# Altium PCB FMC_HPC_TO_LPC_BREAKOUT.PcbDoc (part 2 of 3) (continued)
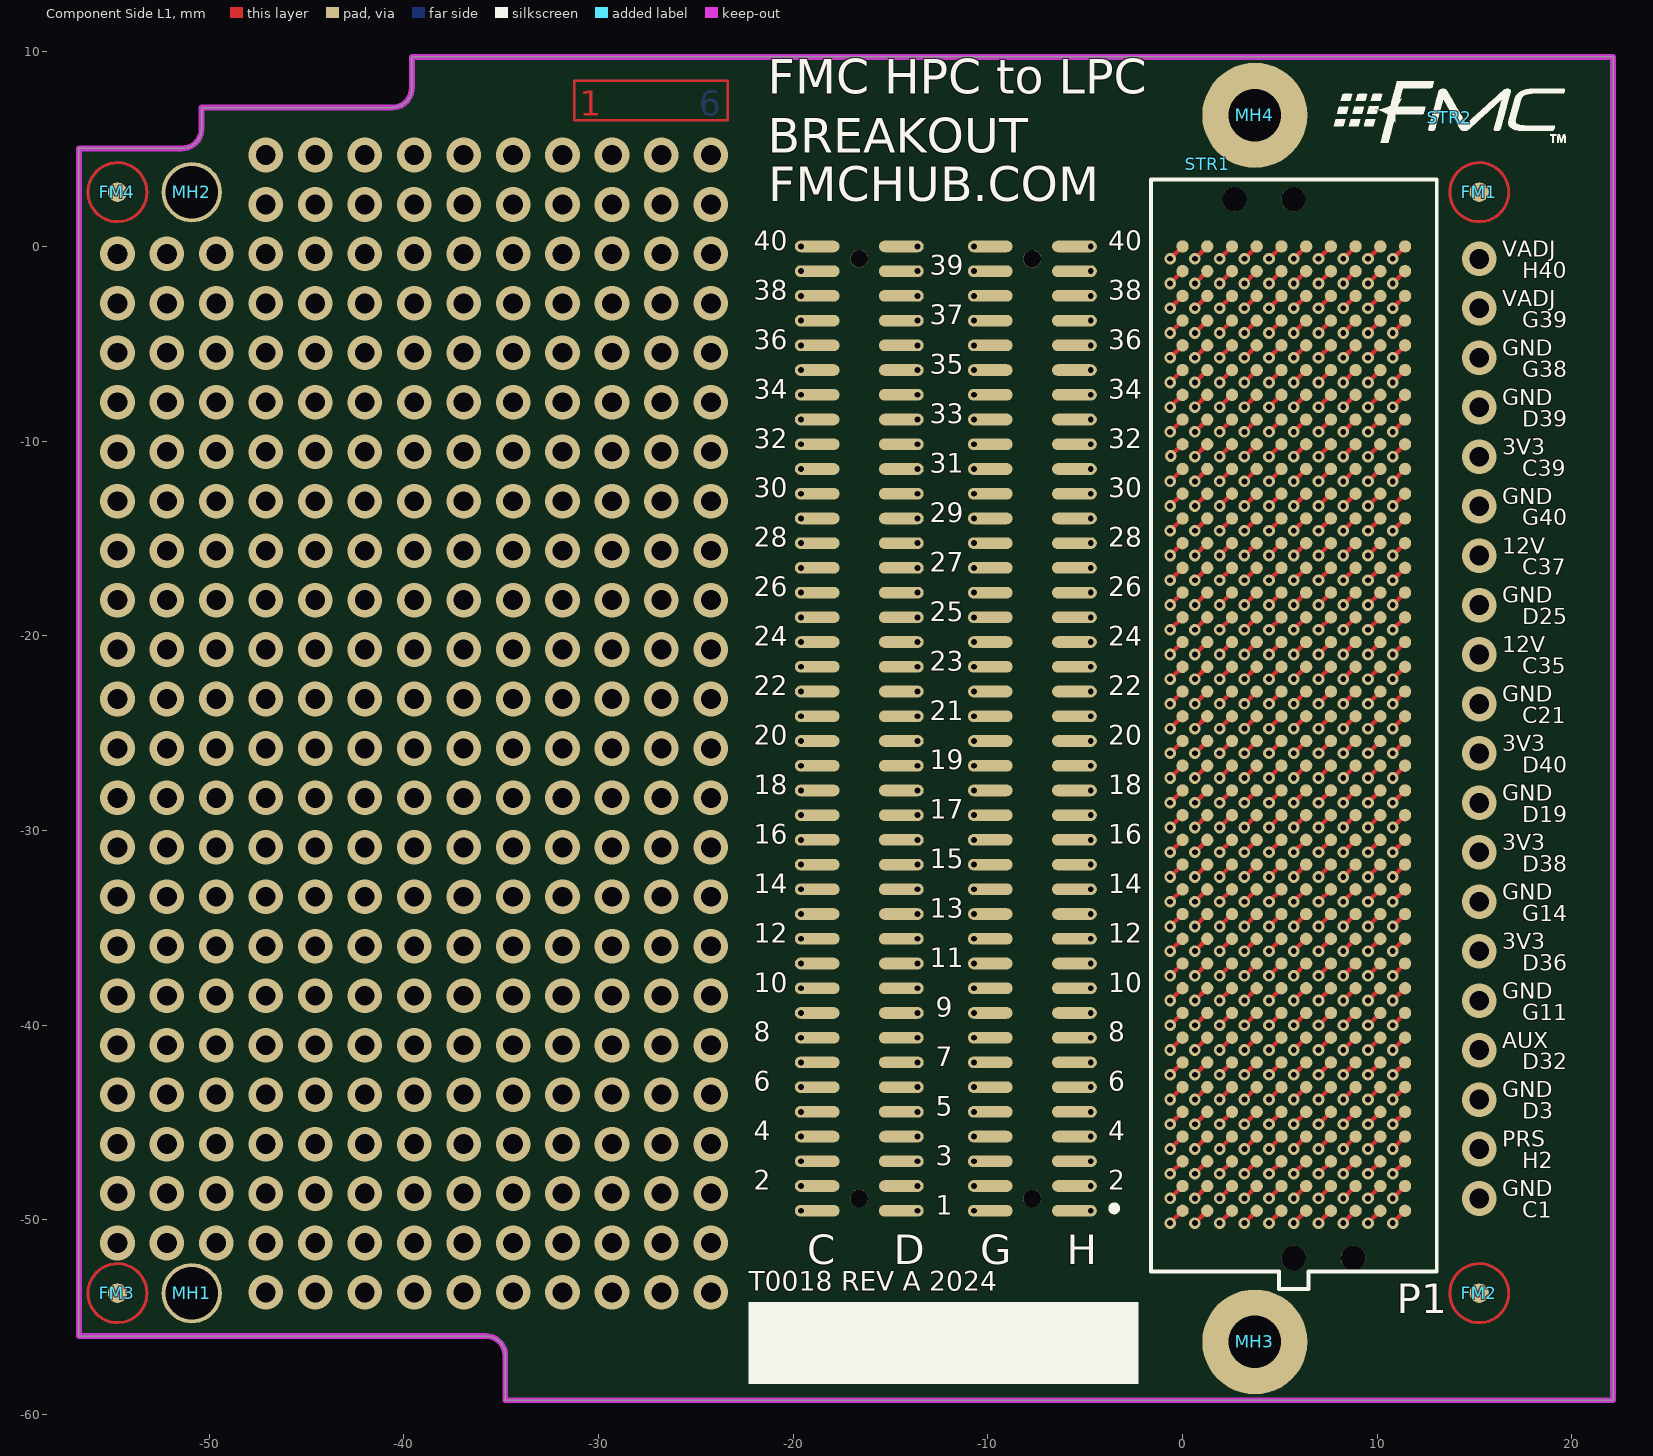
[diagram p0: Component Side L1 view]
## Nets (pads, with @x,y where several pads share a name; then routed paths per layer and width w, separated by ;. In a path a pad name is that pad's centre, name@x,y a point inside that pad or via, vN(x,y) a via of type N, cw(c..) or ccw(c..) an arc to the next point about the centre after c; other vN are vias at no path point) (continued)
  Bottom Layer L6 w0.215: v1(5.715,-18.415) P2.E26@6.35,-17.78
E27: P1.E27 P2.E27 | length 1.8
  Component Side L1 w0.215: v1(5.715,-17.145) P1.E27@6.35,-16.51
  Bottom Layer L6 w0.215: v1(5.715,-17.145) P2.E27@6.35,-16.51
E28: P1.E28 P2.E28 | length 1.8
  Component Side L1 w0.215: v1(5.715,-15.875) P1.E28@6.35,-15.24
  Bottom Layer L6 w0.215: v1(5.715,-15.875) P2.E28@6.35,-15.24
E29: P1.E29 P2.E29 | length 1.8
  Component Side L1 w0.215: v1(5.715,-14.605) P1.E29@6.35,-13.97
  Bottom Layer L6 w0.215: v1(5.715,-14.605) P2.E29@6.35,-13.97
E30: P1.E30 P2.E30 | length 1.8
  Component Side L1 w0.215: v1(5.715,-13.335) P1.E30@6.35,-12.7
  Bottom Layer L6 w0.215: v1(5.715,-13.335) P2.E30@6.35,-12.7
E31: P1.E31 P2.E31 | length 1.8
  Component Side L1 w0.215: v1(5.715,-12.065) P1.E31@6.35,-11.43
  Bottom Layer L6 w0.215: v1(5.715,-12.065) P2.E31@6.35,-11.43
E32: P1.E32 P2.E32 | length 1.8
  Component Side L1 w0.215: v1(5.715,-10.795) P1.E32@6.35,-10.16
  Bottom Layer L6 w0.215: v1(5.715,-10.795) P2.E32@6.35,-10.16
E33: P1.E33 P2.E33 | length 1.8
  Component Side L1 w0.215: v1(5.715,-9.525) P1.E33@6.35,-8.89
  Bottom Layer L6 w0.215: v1(5.715,-9.525) P2.E33@6.35,-8.89
E34: P1.E34 P2.E34 | length 1.8
  Component Side L1 w0.215: v1(5.715,-8.255) P1.E34@6.35,-7.62
  Bottom Layer L6 w0.215: v1(5.715,-8.255) P2.E34@6.35,-7.62
E35: P1.E35 P2.E35 | length 1.8
  Component Side L1 w0.215: v1(5.715,-6.985) P1.E35@6.35,-6.35
  Bottom Layer L6 w0.215: v1(5.715,-6.985) P2.E35@6.35,-6.35
E36: P1.E36 P2.E36 | length 1.8
  Component Side L1 w0.215: v1(5.715,-5.715) P1.E36@6.35,-5.08
  Bottom Layer L6 w0.215: v1(5.715,-5.715) P2.E36@6.35,-5.08
E37: P1.E37 P2.E37 | length 1.8
  Component Side L1 w0.215: v1(5.715,-4.445) P1.E37@6.35,-3.81
  Bottom Layer L6 w0.215: v1(5.715,-4.445) P2.E37@6.35,-3.81
E38: P1.E38 P2.E38 | length 1.8
  Component Side L1 w0.215: v1(5.715,-3.175) P1.E38@6.35,-2.54
  Bottom Layer L6 w0.215: v1(5.715,-3.175) P2.E38@6.35,-2.54
E39: P1.E39 P2.E39 | length 1.8
  Component Side L1 w0.215: v1(5.715,-1.905) P1.E39@6.35,-1.27
  Bottom Layer L6 w0.215: v1(5.715,-1.905) P2.E39@6.35,-1.27
E40: P1.E40 P2.E40 | length 1.8
  Component Side L1 w0.215: v1(5.715,-0.635) P1.E40@6.35,0
  Bottom Layer L6 w0.215: v1(5.715,-0.635) P2.E40@6.35,0
F1: P1.F1 P2.F1 | length 1.8
  Component Side L1 w0.215: v1(4.445,-50.165) P1.F1@5.08,-49.53
  Bottom Layer L6 w0.215: v1(4.445,-50.165) P2.F1@5.08,-49.53
F2: P1.F2 P2.F2 | length 1.8
  Component Side L1 w0.215: v1(4.445,-48.895) P1.F2@5.08,-48.26
  Bottom Layer L6 w0.215: v1(4.445,-48.895) P2.F2@5.08,-48.26
F3: P1.F3 P2.F3 | length 1.8
  Component Side L1 w0.215: v1(4.445,-47.625) P1.F3@5.08,-46.99
  Bottom Layer L6 w0.215: v1(4.445,-47.625) P2.F3@5.08,-46.99
F4: P1.F4 P2.F4 | length 1.8
  Component Side L1 w0.215: v1(4.445,-46.355) P1.F4@5.08,-45.72
  Bottom Layer L6 w0.215: v1(4.445,-46.355) P2.F4@5.08,-45.72
F5: P1.F5 P2.F5 | length 1.8
  Component Side L1 w0.215: v1(4.445,-45.085) P1.F5@5.08,-44.45
  Bottom Layer L6 w0.215: v1(4.445,-45.085) P2.F5@5.08,-44.45
F6: P1.F6 P2.F6 | length 1.8
  Component Side L1 w0.215: v1(4.445,-43.815) P1.F6@5.08,-43.18
  Bottom Layer L6 w0.215: v1(4.445,-43.815) P2.F6@5.08,-43.18
F7: P1.F7 P2.F7 | length 1.8
  Component Side L1 w0.215: v1(4.445,-42.545) P1.F7@5.08,-41.91
  Bottom Layer L6 w0.215: v1(4.445,-42.545) P2.F7@5.08,-41.91
F8: P1.F8 P2.F8 | length 1.8
  Component Side L1 w0.215: v1(4.445,-41.275) P1.F8@5.08,-40.64
  Bottom Layer L6 w0.215: v1(4.445,-41.275) P2.F8@5.08,-40.64
F9: P1.F9 P2.F9 | length 1.8
  Component Side L1 w0.215: v1(4.445,-40.005) P1.F9@5.08,-39.37
  Bottom Layer L6 w0.215: v1(4.445,-40.005) P2.F9@5.08,-39.37
F10: P1.F10 P2.F10 | length 1.8
  Component Side L1 w0.215: v1(4.445,-38.735) P1.F10@5.08,-38.1
  Bottom Layer L6 w0.215: v1(4.445,-38.735) P2.F10@5.08,-38.1
F11: P1.F11 P2.F11 | length 1.8
  Component Side L1 w0.215: v1(4.445,-37.465) P1.F11@5.08,-36.83
  Bottom Layer L6 w0.215: v1(4.445,-37.465) P2.F11@5.08,-36.83
F12: P1.F12 P2.F12 | length 1.8
  Component Side L1 w0.215: v1(4.445,-36.195) P1.F12@5.08,-35.56
  Bottom Layer L6 w0.215: v1(4.445,-36.195) P2.F12@5.08,-35.56
F13: P1.F13 P2.F13 | length 1.8
  Component Side L1 w0.215: v1(4.445,-34.925) P1.F13@5.08,-34.29
  Bottom Layer L6 w0.215: v1(4.445,-34.925) P2.F13@5.08,-34.29
F14: P1.F14 P2.F14 | length 1.8
  Component Side L1 w0.215: v1(4.445,-33.655) P1.F14@5.08,-33.02
  Bottom Layer L6 w0.215: v1(4.445,-33.655) P2.F14@5.08,-33.02
F15: P1.F15 P2.F15 | length 1.8
  Component Side L1 w0.215: v1(4.445,-32.385) P1.F15@5.08,-31.75
  Bottom Layer L6 w0.215: v1(4.445,-32.385) P2.F15@5.08,-31.75
F16: P1.F16 P2.F16 | length 1.8
  Component Side L1 w0.215: v1(4.445,-31.115) P1.F16@5.08,-30.48
  Bottom Layer L6 w0.215: v1(4.445,-31.115) P2.F16@5.08,-30.48
F17: P1.F17 P2.F17 | length 1.8
  Component Side L1 w0.215: v1(4.445,-29.845) P1.F17@5.08,-29.21
  Bottom Layer L6 w0.215: v1(4.445,-29.845) P2.F17@5.08,-29.21
F18: P1.F18 P2.F18 | length 1.8
  Component Side L1 w0.215: v1(4.445,-28.575) P1.F18@5.08,-27.94
  Bottom Layer L6 w0.215: v1(4.445,-28.575) P2.F18@5.08,-27.94
F19: P1.F19 P2.F19 | length 1.8
  Component Side L1 w0.215: v1(4.445,-27.305) P1.F19@5.08,-26.67
  Bottom Layer L6 w0.215: v1(4.445,-27.305) P2.F19@5.08,-26.67
F20: P1.F20 P2.F20 | length 1.8
  Component Side L1 w0.215: v1(4.445,-26.035) P1.F20@5.08,-25.4
  Bottom Layer L6 w0.215: v1(4.445,-26.035) P2.F20@5.08,-25.4
F21: P1.F21 P2.F21 | length 1.8
  Component Side L1 w0.215: v1(4.445,-24.765) P1.F21@5.08,-24.13
  Bottom Layer L6 w0.215: v1(4.445,-24.765) P2.F21@5.08,-24.13
F22: P1.F22 P2.F22 | length 1.8
  Component Side L1 w0.215: v1(4.445,-23.495) P1.F22@5.08,-22.86
  Bottom Layer L6 w0.215: v1(4.445,-23.495) P2.F22@5.08,-22.86
F23: P1.F23 P2.F23 | length 1.8
  Component Side L1 w0.215: v1(4.445,-22.225) P1.F23@5.08,-21.59
  Bottom Layer L6 w0.215: v1(4.445,-22.225) P2.F23@5.08,-21.59
F24: P1.F24 P2.F24 | length 1.8
  Component Side L1 w0.215: v1(4.445,-20.955) P1.F24@5.08,-20.32
  Bottom Layer L6 w0.215: v1(4.445,-20.955) P2.F24@5.08,-20.32
F25: P1.F25 P2.F25 | length 1.8
  Component Side L1 w0.215: v1(4.445,-19.685) P1.F25@5.08,-19.05
  Bottom Layer L6 w0.215: v1(4.445,-19.685) P2.F25@5.08,-19.05
F26: P1.F26 P2.F26 | length 1.8
  Component Side L1 w0.215: v1(4.445,-18.415) P1.F26@5.08,-17.78
  Bottom Layer L6 w0.215: v1(4.445,-18.415) P2.F26@5.08,-17.78
F27: P1.F27 P2.F27 | length 1.8
  Component Side L1 w0.215: v1(4.445,-17.145) P1.F27@5.08,-16.51
  Bottom Layer L6 w0.215: v1(4.445,-17.145) P2.F27@5.08,-16.51
F28: P1.F28 P2.F28 | length 1.8
  Component Side L1 w0.215: v1(4.445,-15.875) P1.F28@5.08,-15.24
  Bottom Layer L6 w0.215: v1(4.445,-15.875) P2.F28@5.08,-15.24
F29: P1.F29 P2.F29 | length 1.8
  Component Side L1 w0.215: v1(4.445,-14.605) P1.F29@5.08,-13.97
  Bottom Layer L6 w0.215: v1(4.445,-14.605) P2.F29@5.08,-13.97
F30: P1.F30 P2.F30 | length 1.8
  Component Side L1 w0.215: v1(4.445,-13.335) P1.F30@5.08,-12.7
  Bottom Layer L6 w0.215: v1(4.445,-13.335) P2.F30@5.08,-12.7
F31: P1.F31 P2.F31 | length 1.8
  Component Side L1 w0.215: v1(4.445,-12.065) P1.F31@5.08,-11.43
  Bottom Layer L6 w0.215: v1(4.445,-12.065) P2.F31@5.08,-11.43
F32: P1.F32 P2.F32 | length 1.8
  Component Side L1 w0.215: v1(4.445,-10.795) P1.F32@5.08,-10.16
  Bottom Layer L6 w0.215: v1(4.445,-10.795) P2.F32@5.08,-10.16
F33: P1.F33 P2.F33 | length 1.8
  Component Side L1 w0.215: v1(4.445,-9.525) P1.F33@5.08,-8.89
  Bottom Layer L6 w0.215: v1(4.445,-9.525) P2.F33@5.08,-8.89
F34: P1.F34 P2.F34 | length 1.8
  Component Side L1 w0.215: v1(4.445,-8.255) P1.F34@5.08,-7.62
  Bottom Layer L6 w0.215: v1(4.445,-8.255) P2.F34@5.08,-7.62
F35: P1.F35 P2.F35 | length 1.8
  Component Side L1 w0.215: v1(4.445,-6.985) P1.F35@5.08,-6.35
  Bottom Layer L6 w0.215: v1(4.445,-6.985) P2.F35@5.08,-6.35
F36: P1.F36 P2.F36 | length 1.8
  Component Side L1 w0.215: v1(4.445,-5.715) P1.F36@5.08,-5.08
  Bottom Layer L6 w0.215: v1(4.445,-5.715) P2.F36@5.08,-5.08
F37: P1.F37 P2.F37 | length 1.8
  Component Side L1 w0.215: v1(4.445,-4.445) P1.F37@5.08,-3.81
  Bottom Layer L6 w0.215: v1(4.445,-4.445) P2.F37@5.08,-3.81
F38: P1.F38 P2.F38 | length 1.8
  Component Side L1 w0.215: v1(4.445,-3.175) P1.F38@5.08,-2.54
  Bottom Layer L6 w0.215: v1(4.445,-3.175) P2.F38@5.08,-2.54
F39: P1.F39 P2.F39 | length 1.8
  Component Side L1 w0.215: v1(4.445,-1.905) P1.F39@5.08,-1.27
  Bottom Layer L6 w0.215: v1(4.445,-1.905) P2.F39@5.08,-1.27
F40: P1.F40 P2.F40 | length 1.8
  Component Side L1 w0.215: v1(4.445,-0.635) P1.F40@5.08,0
  Bottom Layer L6 w0.215: v1(4.445,-0.635) P2.F40@5.08,0
G1: P1.G1 P2.G1 P4.1 | length 16.5
  Component Side L1 w0.215: v1(3.175,-50.165) P1.G1@3.81,-49.53
  Layer 3 w0.127: P4.1@-10.715,-49.53 -8.134,-49.53 -8.121,-49.543 -7.11,-49.543 -6.462,-48.895 -2.54,-48.895 -1.905,-49.53 2.54,-49.53 v1(3.175,-50.165)
  Bottom Layer L6 w0.215: v1(3.175,-50.165) P2.G1@3.81,-49.53
G2: P1.G2 P2.G2 P4.3 | length 16.5
  Component Side L1 w0.215: v1(3.175,-48.895) P1.G2@3.81,-48.26
  Layer 3 w0.127: P4.3@-10.715,-48.26 -7.996,-48.26 -7.361,-47.625 -2.54,-47.625 -1.905,-48.26 2.54,-48.26 v1(3.175,-48.895)
  Bottom Layer L6 w0.215: v1(3.175,-48.895) P2.G2@3.81,-48.26
G3: P1.G3 P2.G3 P4.5 | length 16.5
  Component Side L1 w0.215: v1(3.175,-47.625) P1.G3@3.81,-46.99
  Layer 3 w0.127: P4.5@-10.715,-46.99 -7.996,-46.99 -7.361,-46.355 -2.513,-46.355 -1.878,-46.99 2.54,-46.99 v1(3.175,-47.625)
  Bottom Layer L6 w0.215: v1(3.175,-47.625) P2.G3@3.81,-46.99
G4: P1.G4 P2.G4 P4.7 | length 16.5
  Component Side L1 w0.215: v1(3.175,-46.355) P1.G4@3.81,-45.72
  Layer 3 w0.127: P4.7@-10.715,-45.72 -7.996,-45.72 -7.361,-45.085 -2.513,-45.085 -1.878,-45.72 2.54,-45.72 v1(3.175,-46.355)
  Bottom Layer L6 w0.215: v1(3.175,-46.355) P2.G4@3.81,-45.72
G5: P1.G5 P2.G5 P4.9 | length 16.5
  Component Side L1 w0.215: v1(3.175,-45.085) P1.G5@3.81,-44.45
  Layer 3 w0.127: P4.9@-10.715,-44.45 -7.996,-44.45 -7.366,-43.82 -2.508,-43.82 -1.878,-44.45 2.54,-44.45 v1(3.175,-45.085)
  Bottom Layer L6 w0.215: v1(3.175,-45.085) P2.G5@3.81,-44.45
G6: P1.G6 P2.G6 P4.11 | length 16.5
  Component Side L1 w0.215: v1(3.175,-43.815) P1.G6@3.81,-43.18
  Layer 3 w0.127: P4.11@-10.715,-43.18 -7.996,-43.18 -7.361,-42.545 -2.54,-42.545 -1.878,-43.207 2.567,-43.207 v1(3.175,-43.815)
  Bottom Layer L6 w0.215: v1(3.175,-43.815) P2.G6@3.81,-43.18
G7: P1.G7 P2.G7 P4.13 | length 16.5
  Component Side L1 w0.215: v1(3.175,-42.545) P1.G7@3.81,-41.91
  Layer 3 w0.127: P4.13@-10.715,-41.91 -7.996,-41.91 -7.361,-41.275 -2.513,-41.275 -1.851,-41.937 2.567,-41.937 v1(3.175,-42.545)
  Bottom Layer L6 w0.215: v1(3.175,-42.545) P2.G7@3.81,-41.91
G8: P1.G8 P2.G8 P4.15 | length 16.5
  Component Side L1 w0.215: v1(3.175,-41.275) P1.G8@3.81,-40.64
  Layer 3 w0.127: P4.15@-10.715,-40.64 -7.996,-40.64 -7.361,-40.005 -2.513,-40.005 -1.851,-40.667 2.567,-40.667 v1(3.175,-41.275)
  Bottom Layer L6 w0.215: v1(3.175,-41.275) P2.G8@3.81,-40.64
G9: P1.G9 P2.G9 P4.17 | length 16.5
  Component Side L1 w0.215: v1(3.175,-40.005) P1.G9@3.81,-39.37
  Layer 3 w0.127: P4.17@-10.715,-39.37 -7.996,-39.37 -7.361,-38.735 -2.513,-38.735 -1.851,-39.397 2.567,-39.397 v1(3.175,-40.005)
  Bottom Layer L6 w0.215: v1(3.175,-40.005) P2.G9@3.81,-39.37
G10: P1.G10 P2.G10 P4.19 | length 16.5
  Component Side L1 w0.215: v1(3.175,-38.735) P1.G10@3.81,-38.1
  Layer 3 w0.127: P4.19@-10.715,-38.1 -7.996,-38.1 -7.361,-37.465 -2.54,-37.465 -1.878,-38.127 2.567,-38.127 v1(3.175,-38.735)
  Bottom Layer L6 w0.215: v1(3.175,-38.735) P2.G10@3.81,-38.1
G11: P1.G11 P2.G11 P4.21 | length 29.1
  Component Side L1 w0.215: v1(3.175,-37.465) P1.G11@3.81,-36.83
  Layer 3 w0.127: P4.21@-10.715,-36.83 -7.996,-36.83 -7.361,-36.195 -2.513,-36.195 -1.878,-36.83 2.54,-36.83 v1(3.175,-37.465)
  Layer 3 w0.35: v1(3.175,-37.465) 3.81,-38.1 12.7,-38.1 13.34,-38.74 v2(15.24,-38.74)
  Bottom Layer L6 w0.215: v1(3.175,-37.465) P2.G11@3.81,-36.83
G12: P1.G12 P2.G12 P4.23 | length 16.5
  Component Side L1 w0.215: v1(3.175,-36.195) P1.G12@3.81,-35.56
  Layer 3 w0.127: P4.23@-10.715,-35.56 -7.996,-35.56 -7.361,-34.925 -2.486,-34.925 -1.824,-35.587 2.567,-35.587 v1(3.175,-36.195)
  Bottom Layer L6 w0.215: v1(3.175,-36.195) P2.G12@3.81,-35.56
G13: P1.G13 P2.G13 P4.25 | length 16.5
  Component Side L1 w0.215: v1(3.175,-34.925) P1.G13@3.81,-34.29
  Layer 3 w0.127: P4.25@-10.715,-34.29 -7.996,-34.29 -7.361,-33.655 -2.513,-33.655 -1.878,-34.29 2.54,-34.29 v1(3.175,-34.925)
  Bottom Layer L6 w0.215: v1(3.175,-34.925) P2.G13@3.81,-34.29
G14: P1.G14 P2.G14 P4.27 | length 29.1
  Component Side L1 w0.215: v1(3.175,-33.655) P1.G14@3.81,-33.02
  Layer 3 w0.127: P4.27@-10.715,-33.02 -7.996,-33.02 -7.361,-32.385 -2.513,-32.385 -1.878,-33.02 2.54,-33.02 v1(3.175,-33.655)
  Layer 3 w0.35: v1(3.175,-33.655) 3.81,-33.02 12.673,-33.02 13.308,-33.655 15.235,-33.655 v2(15.24,-33.66)
  Bottom Layer L6 w0.215: v1(3.175,-33.655) P2.G14@3.81,-33.02
G15: P1.G15 P2.G15 P4.29 | length 16.5
  Component Side L1 w0.215: v1(3.175,-32.385) P1.G15@3.81,-31.75
  Layer 3 w0.127: P4.29@-10.715,-31.75 -7.996,-31.75 -7.361,-31.115 -2.513,-31.115 -1.878,-31.75 2.54,-31.75 v1(3.175,-32.385)
  Bottom Layer L6 w0.215: v1(3.175,-32.385) P2.G15@3.81,-31.75
G16: P1.G16 P2.G16 P4.31 | length 16.5
  Component Side L1 w0.215: v1(3.175,-31.115) P1.G16@3.81,-30.48
  Layer 3 w0.127: P4.31@-10.715,-30.48 -7.996,-30.48 -7.361,-29.845 -2.513,-29.845 -1.878,-30.48 2.54,-30.48 v1(3.175,-31.115)
  Bottom Layer L6 w0.215: v1(3.175,-31.115) P2.G16@3.81,-30.48
G17: P1.G17 P2.G17 P4.33 | length 16.5
  Component Side L1 w0.215: v1(3.175,-29.845) P1.G17@3.81,-29.21
  Layer 3 w0.127: P4.33@-10.715,-29.21 -7.996,-29.21 -7.366,-28.58 -2.508,-28.58 -1.878,-29.21 2.54,-29.21 v1(3.175,-29.845)
  Bottom Layer L6 w0.215: v1(3.175,-29.845) P2.G17@3.81,-29.21
G18: P1.G18 P2.G18 P4.35 | length 16.5
  Component Side L1 w0.215: v1(3.175,-28.575) P1.G18@3.81,-27.94
  Layer 3 w0.127: P4.35@-10.715,-27.94 -7.996,-27.94 -7.361,-27.305 -2.513,-27.305 -1.878,-27.94 2.54,-27.94 v1(3.175,-28.575)
  Bottom Layer L6 w0.215: v1(3.175,-28.575) P2.G18@3.81,-27.94
G19: P1.G19 P2.G19 P4.37 | length 16.5
  Component Side L1 w0.215: v1(3.175,-27.305) P1.G19@3.81,-26.67
  Layer 3 w0.127: P4.37@-10.715,-26.67 -7.996,-26.67 -7.366,-26.04 -2.481,-26.04 -1.851,-26.67 2.54,-26.67 v1(3.175,-27.305)
  Bottom Layer L6 w0.215: v1(3.175,-27.305) P2.G19@3.81,-26.67
G20: P1.G20 P2.G20 P4.39 | length 16.5
  Component Side L1 w0.215: v1(3.175,-26.035) P1.G20@3.81,-25.4
  Layer 3 w0.127: P4.39@-10.715,-25.4 -7.996,-25.4 -7.361,-24.765 -2.54,-24.765 -1.905,-25.4 2.54,-25.4 v1(3.175,-26.035)
  Bottom Layer L6 w0.215: v1(3.175,-26.035) P2.G20@3.81,-25.4
G21: P1.G21 P2.G21 P4.41 | length 16.5
  Component Side L1 w0.215: v1(3.175,-24.765) P1.G21@3.81,-24.13
  Layer 3 w0.127: P4.41@-10.715,-24.13 -7.996,-24.13 -7.361,-23.495 -2.54,-23.495 -1.905,-24.13 2.54,-24.13 v1(3.175,-24.765)
  Bottom Layer L6 w0.215: v1(3.175,-24.765) P2.G21@3.81,-24.13
G22: P1.G22 P2.G22 P4.43 | length 16.5
  Component Side L1 w0.215: v1(3.175,-23.495) P1.G22@3.81,-22.86
  Layer 3 w0.127: P4.43@-10.715,-22.86 -7.996,-22.86 -7.361,-22.225 -2.54,-22.225 -1.905,-22.86 2.54,-22.86 v1(3.175,-23.495)
  Bottom Layer L6 w0.215: v1(3.175,-23.495) P2.G22@3.81,-22.86
G23: P1.G23 P2.G23 P4.45 | length 16.5
  Component Side L1 w0.215: v1(3.175,-22.225) P1.G23@3.81,-21.59
  Layer 3 w0.127: P4.45@-10.715,-21.59 -7.996,-21.59 -7.366,-20.96 -2.535,-20.96 -1.905,-21.59 2.54,-21.59 v1(3.175,-22.225)
  Bottom Layer L6 w0.215: v1(3.175,-22.225) P2.G23@3.81,-21.59
G24: P1.G24 P2.G24 P4.47 | length 16.5
  Component Side L1 w0.215: v1(3.175,-20.955) P1.G24@3.81,-20.32
  Layer 3 w0.127: P4.47@-10.715,-20.32 -7.996,-20.32 -7.361,-19.685 -2.54,-19.685 -1.905,-20.32 2.54,-20.32 v1(3.175,-20.955)
  Bottom Layer L6 w0.215: v1(3.175,-20.955) P2.G24@3.81,-20.32
G25: P1.G25 P2.G25 P4.49 | length 16.5
  Component Side L1 w0.215: v1(3.175,-19.685) P1.G25@3.81,-19.05
  Layer 3 w0.127: P4.49@-10.715,-19.05 -7.996,-19.05 -7.366,-18.42 -2.535,-18.42 -1.905,-19.05 2.54,-19.05 v1(3.175,-19.685)
  Bottom Layer L6 w0.215: v1(3.175,-19.685) P2.G25@3.81,-19.05
G26: P1.G26 P2.G26 P4.51 | length 16.5
  Component Side L1 w0.215: v1(3.175,-18.415) P1.G26@3.81,-17.78
  Layer 3 w0.127: P4.51@-10.715,-17.78 -7.996,-17.78 -7.361,-17.145 -2.54,-17.145 -1.905,-17.78 2.54,-17.78 v1(3.175,-18.415)
  Bottom Layer L6 w0.215: v1(3.175,-18.415) P2.G26@3.81,-17.78
G27: P1.G27 P2.G27 P4.53 | length 16.5
  Component Side L1 w0.215: v1(3.175,-17.145) P1.G27@3.81,-16.51
  Layer 3 w0.127: P4.53@-10.715,-16.51 -7.996,-16.51 -7.361,-15.875 -2.54,-15.875 -1.905,-16.51 2.54,-16.51 v1(3.175,-17.145)
  Bottom Layer L6 w0.215: v1(3.175,-17.145) P2.G27@3.81,-16.51
G28: P1.G28 P2.G28 P4.55 | length 16.5
  Component Side L1 w0.215: v1(3.175,-15.875) P1.G28@3.81,-15.24
  Layer 3 w0.127: P4.55@-10.715,-15.24 -7.996,-15.24 -7.361,-14.605 -2.54,-14.605 -1.905,-15.24 2.54,-15.24 v1(3.175,-15.875)
  Bottom Layer L6 w0.215: v1(3.175,-15.875) P2.G28@3.81,-15.24
G29: P1.G29 P2.G29 P4.57 | length 16.5
  Component Side L1 w0.215: v1(3.175,-14.605) P1.G29@3.81,-13.97
  Layer 3 w0.127: P4.57@-10.715,-13.97 -7.996,-13.97 -7.366,-13.34 -2.535,-13.34 -1.905,-13.97 2.54,-13.97 v1(3.175,-14.605)
  Bottom Layer L6 w0.215: v1(3.175,-14.605) P2.G29@3.81,-13.97
G30: P1.G30 P2.G30 P4.59 | length 16.5
  Component Side L1 w0.215: v1(3.175,-13.335) P1.G30@3.81,-12.7
  Layer 3 w0.127: P4.59@-10.715,-12.7 -7.996,-12.7 -7.361,-12.065 -2.54,-12.065 -1.905,-12.7 2.54,-12.7 v1(3.175,-13.335)
  Bottom Layer L6 w0.215: v1(3.175,-13.335) P2.G30@3.81,-12.7
G31: P1.G31 P2.G31 P4.61 | length 16.5
  Component Side L1 w0.215: v1(3.175,-12.065) P1.G31@3.81,-11.43
  Layer 3 w0.127: P4.61@-10.715,-11.43 -7.996,-11.43 -7.366,-10.8 -2.535,-10.8 -1.905,-11.43 2.54,-11.43 v1(3.175,-12.065)
  Bottom Layer L6 w0.215: v1(3.175,-12.065) P2.G31@3.81,-11.43
G32: P1.G32 P2.G32 P4.63 | length 16.5
  Component Side L1 w0.215: v1(3.175,-10.795) P1.G32@3.81,-10.16
  Layer 3 w0.127: P4.63@-10.715,-10.16 -7.996,-10.16 -7.361,-9.525 -2.54,-9.525 -1.905,-10.16 2.54,-10.16 v1(3.175,-10.795)
  Bottom Layer L6 w0.215: v1(3.175,-10.795) P2.G32@3.81,-10.16
G33: P1.G33 P2.G33 P4.65 | length 16.5
  Component Side L1 w0.215: v1(3.175,-9.525) P1.G33@3.81,-8.89
  Layer 3 w0.127: P4.65@-10.715,-8.89 -7.996,-8.89 -7.366,-8.26 -2.535,-8.26 -1.905,-8.89 2.54,-8.89 v1(3.175,-9.525)
  Bottom Layer L6 w0.215: v1(3.175,-9.525) P2.G33@3.81,-8.89
G34: P1.G34 P2.G34 P4.67 | length 16.5
  Component Side L1 w0.215: v1(3.175,-8.255) P1.G34@3.81,-7.62
  Layer 3 w0.127: P4.67@-10.715,-7.62 -7.996,-7.62 -7.361,-6.985 -2.513,-6.985 -1.878,-7.62 2.54,-7.62 v1(3.175,-8.255)
  Bottom Layer L6 w0.215: v1(3.175,-8.255) P2.G34@3.81,-7.62
G35: P1.G35 P2.G35 P4.69 | length 16.5
  Component Side L1 w0.215: v1(3.175,-6.985) P1.G35@3.81,-6.35
  Layer 3 w0.127: P4.69@-10.715,-6.35 -7.996,-6.35 -7.366,-5.72 -2.535,-5.72 -1.905,-6.35 2.54,-6.35 v1(3.175,-6.985)
  Bottom Layer L6 w0.215: v1(3.175,-6.985) P2.G35@3.81,-6.35
G36: P1.G36 P2.G36 P4.71 | length 16.5
  Component Side L1 w0.215: v1(3.175,-5.715) P1.G36@3.81,-5.08
  Layer 3 w0.127: P4.71@-10.715,-5.08 -7.996,-5.08 -7.361,-4.445 -2.54,-4.445 -1.905,-5.08 2.54,-5.08 v1(3.175,-5.715)
  Bottom Layer L6 w0.215: v1(3.175,-5.715) P2.G36@3.81,-5.08
G37: P1.G37 P2.G37 P4.73 | length 16.5
  Component Side L1 w0.215: v1(3.175,-4.445) P1.G37@3.81,-3.81
  Layer 3 w0.127: P4.73@-10.715,-3.81 -7.996,-3.81 -7.366,-3.18 -2.535,-3.18 -1.878,-3.837 2.567,-3.837 v1(3.175,-4.445)
  Bottom Layer L6 w0.215: v1(3.175,-4.445) P2.G37@3.81,-3.81
G38: P1.G38 P2.G38 P4.75 | length 30
  Component Side L1 w0.215: v1(3.175,-3.175) P1.G38@3.81,-2.54
  Layer 3 w0.127: P4.75@-10.715,-2.54 -8.001,-2.54 -7.366,-1.905 -2.486,-1.905 -1.851,-2.54 2.54,-2.54 v1(3.175,-3.175)
  Layer 3 w0.35: v1(3.175,-3.175) 3.837,-3.837 11.43,-3.837 12.038,-4.445 12.038,-5.08 12.678,-5.72 v2(15.24,-5.72)
  Bottom Layer L6 w0.215: v1(3.175,-3.175) P2.G38@3.81,-2.54
G39: P1.G39 P2.G39 P4.77 | length 29.1
  Component Side L1 w0.215: v1(3.175,-1.905) P1.G39@3.81,-1.27
  Layer 3 w0.127: P4.77@-10.715,-1.27 -8.134,-1.27 -8.121,-1.283 -7.11,-1.283 -6.467,-0.64 -2.494,-0.64 -1.851,-1.283 2.553,-1.283 v1(3.175,-1.905)
  Layer 3 w0.35: v1(3.175,-1.905) 3.81,-2.54 12.673,-2.54 13.313,-3.18 v2(15.24,-3.18)
  Bottom Layer L6 w0.215: v1(3.175,-1.905) P2.G39@3.81,-1.27
G40: P1.G40 P2.G40 P4.79 | length 46.7
  Component Side L1 w0.215: v1(3.175,-0.635) P1.G40@3.81,0
  Layer 3 w0.127: P4.79@-10.715,0 -7.996,0 -7.505,0.491 2.049,0.491 v1(3.175,-0.635)
  Layer 3 w0.35: v1(3.175,-0.635) 5.08,1.27 16.51,1.27 17.78,0 17.78,-10.8 v2(15.24,-13.34)
  Bottom Layer L6 w0.215: v1(3.175,-0.635) P2.G40@3.81,0
H1: P1.H1 P2.H1 P4.2 | length 8.7
  Component Side L1 w0.215: v1(1.905,-50.165) P1.H1@2.54,-49.53
  Layer 2 w0.127: P4.2@-4.715,-49.53 1.27,-49.53 v1(1.905,-50.165)
  Bottom Layer L6 w0.215: v1(1.905,-50.165) P2.H1@2.54,-49.53
H2: P1.H2 P2.H2 P4.4 | length 23.1
  Component Side L1 w0.215: v1(1.905,-48.895) P1.H2@2.54,-48.26
  Layer 2 w0.127: P4.4@-4.715,-48.26 1.27,-48.26 v1(1.905,-48.895)
  Layer 2 w0.35: v1(1.905,-48.895) 2.54,-48.26 12.065,-48.26 13.965,-46.36 v2(15.24,-46.36)
  Bottom Layer L6 w0.215: v1(1.905,-48.895) P2.H2@2.54,-48.26
H3: P1.H3 P2.H3 P4.6 | length 8.7
  Component Side L1 w0.215: v1(1.905,-47.625) P1.H3@2.54,-46.99
  Layer 2 w0.127: P4.6@-4.715,-46.99 1.27,-46.99 v1(1.905,-47.625)
  Bottom Layer L6 w0.215: v1(1.905,-47.625) P2.H3@2.54,-46.99
H4: P1.H4 P2.H4 P4.8 | length 8.7
  Component Side L1 w0.215: v1(1.905,-46.355) P1.H4@2.54,-45.72
  Layer 2 w0.127: P4.8@-4.715,-45.72 1.27,-45.72 v1(1.905,-46.355)
  Bottom Layer L6 w0.215: v1(1.905,-46.355) P2.H4@2.54,-45.72
H5: P1.H5 P2.H5 P4.10 | length 8.7
  Component Side L1 w0.215: v1(1.905,-45.085) P1.H5@2.54,-44.45
  Layer 2 w0.127: P4.10@-4.715,-44.45 1.27,-44.45 v1(1.905,-45.085)
  Bottom Layer L6 w0.215: v1(1.905,-45.085) P2.H5@2.54,-44.45
H6: P1.H6 P2.H6 P4.12 | length 8.7
  Component Side L1 w0.215: v1(1.905,-43.815) P1.H6@2.54,-43.18
  Layer 2 w0.127: P4.12@-4.715,-43.18 1.27,-43.18 v1(1.905,-43.815)
  Bottom Layer L6 w0.215: v1(1.905,-43.815) P2.H6@2.54,-43.18
H7: P1.H7 P2.H7 P4.14 | length 8.7
  Component Side L1 w0.215: v1(1.905,-42.545) P1.H7@2.54,-41.91
  Layer 2 w0.127: P4.14@-4.715,-41.91 1.27,-41.91 v1(1.905,-42.545)
  Bottom Layer L6 w0.215: v1(1.905,-42.545) P2.H7@2.54,-41.91
H8: P1.H8 P2.H8 P4.16 | length 8.7
  Component Side L1 w0.215: v1(1.905,-41.275) P1.H8@2.54,-40.64
  Layer 2 w0.127: P4.16@-4.715,-40.64 1.27,-40.64 v1(1.905,-41.275)
  Bottom Layer L6 w0.215: v1(1.905,-41.275) P2.H8@2.54,-40.64
H9: P1.H9 P2.H9 P4.18 | length 8.7
  Component Side L1 w0.215: v1(1.905,-40.005) P1.H9@2.54,-39.37
  Layer 2 w0.127: P4.18@-4.715,-39.37 1.27,-39.37 v1(1.905,-40.005)
  Bottom Layer L6 w0.215: v1(1.905,-40.005) P2.H9@2.54,-39.37
H10: P1.H10 P2.H10 P4.20 | length 8.7
  Component Side L1 w0.215: v1(1.905,-38.735) P1.H10@2.54,-38.1
  Layer 2 w0.127: P4.20@-4.715,-38.1 1.27,-38.1 v1(1.905,-38.735)
  Bottom Layer L6 w0.215: v1(1.905,-38.735) P2.H10@2.54,-38.1
H11: P1.H11 P2.H11 P4.22 | length 8.7
  Component Side L1 w0.215: v1(1.905,-37.465) P1.H11@2.54,-36.83
  Layer 2 w0.127: P4.22@-4.715,-36.83 1.27,-36.83 v1(1.905,-37.465)
  Bottom Layer L6 w0.215: v1(1.905,-37.465) P2.H11@2.54,-36.83
H12: P1.H12 P2.H12 P4.24 | length 8.7
  Component Side L1 w0.215: v1(1.905,-36.195) P1.H12@2.54,-35.56
  Layer 2 w0.127: P4.24@-4.715,-35.56 1.27,-35.56 v1(1.905,-36.195)
  Bottom Layer L6 w0.215: v1(1.905,-36.195) P2.H12@2.54,-35.56
H13: P1.H13 P2.H13 P4.26 | length 8.7
  Component Side L1 w0.215: v1(1.905,-34.925) P1.H13@2.54,-34.29
  Layer 2 w0.127: P4.26@-4.715,-34.29 1.27,-34.29 v1(1.905,-34.925)
  Bottom Layer L6 w0.215: v1(1.905,-34.925) P2.H13@2.54,-34.29
H14: P1.H14 P2.H14 P4.28 | length 8.7
  Component Side L1 w0.215: v1(1.905,-33.655) P1.H14@2.54,-33.02
  Layer 2 w0.127: P4.28@-4.715,-33.02 1.27,-33.02 v1(1.905,-33.655)
  Bottom Layer L6 w0.215: v1(1.905,-33.655) P2.H14@2.54,-33.02
H15: P1.H15 P2.H15 P4.30 | length 8.7
  Component Side L1 w0.215: v1(1.905,-32.385) P1.H15@2.54,-31.75
  Layer 2 w0.127: P4.30@-4.715,-31.75 1.27,-31.75 v1(1.905,-32.385)
  Bottom Layer L6 w0.215: v1(1.905,-32.385) P2.H15@2.54,-31.75